# Altium PCB HV Interface.PcbDoc (part 2 of 3) (continued)
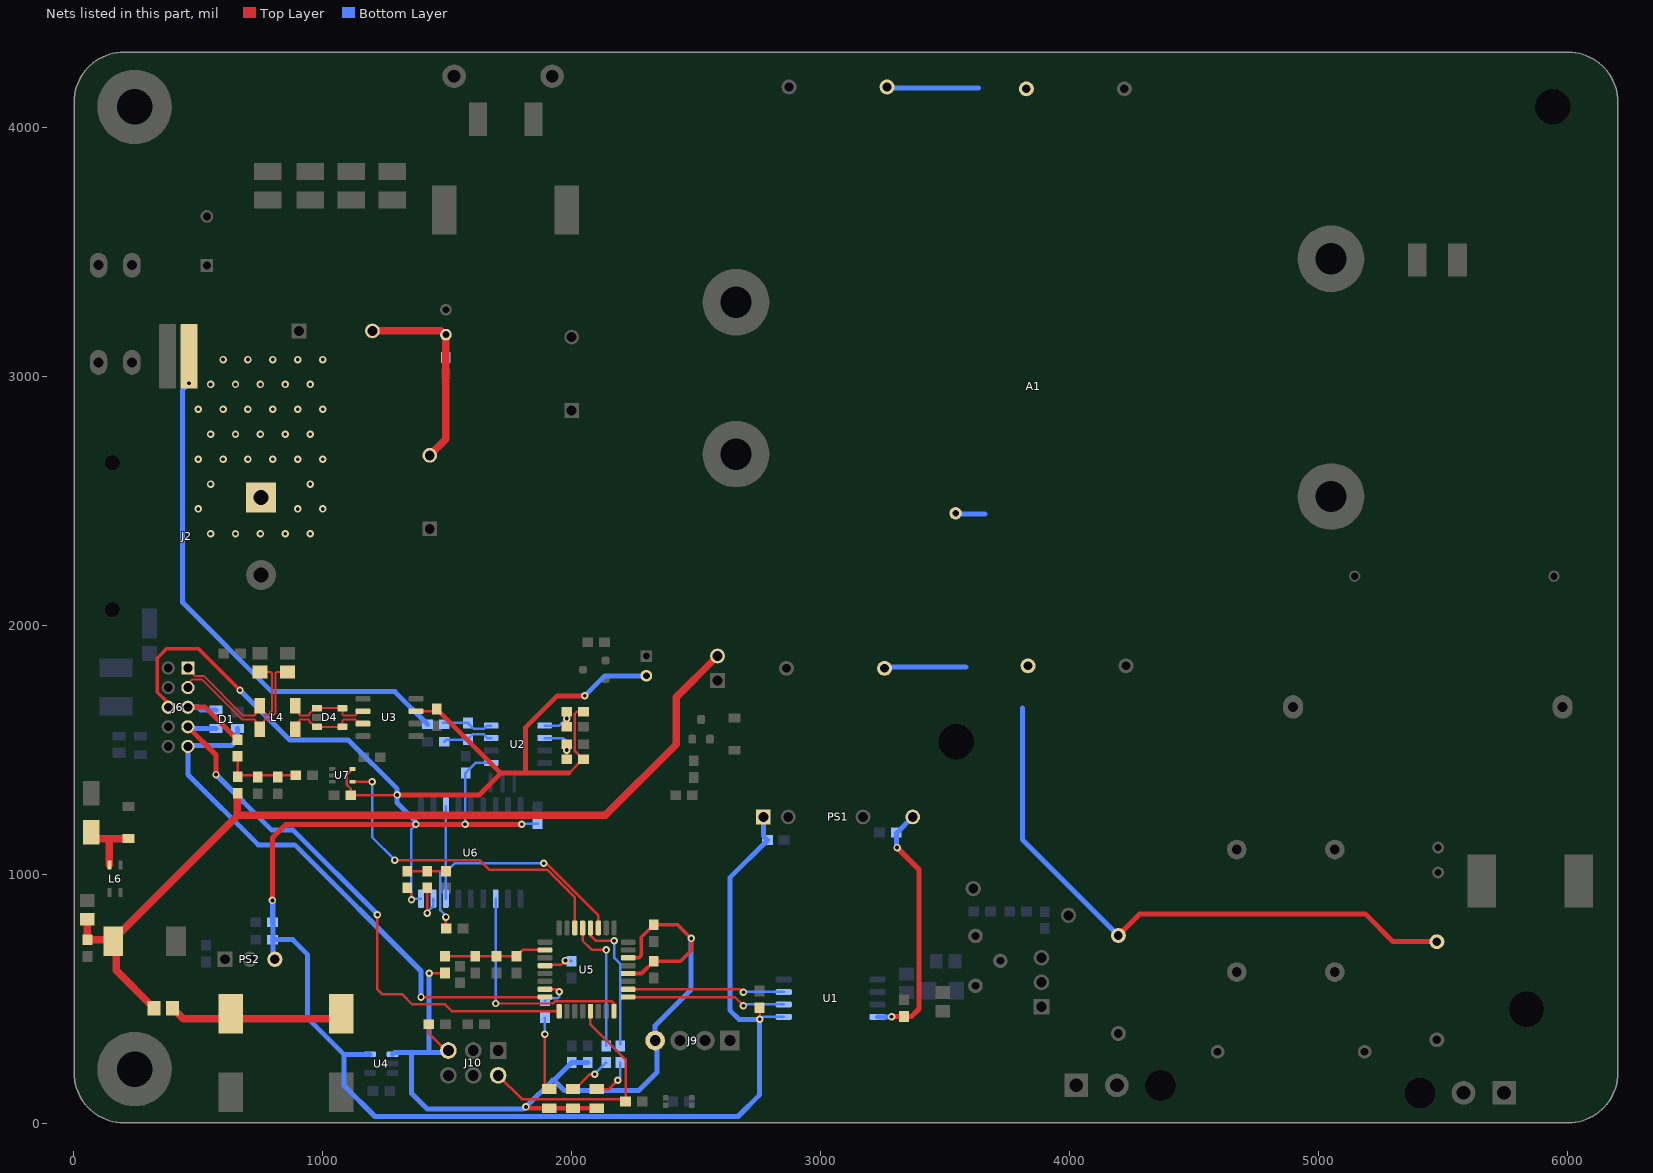
[diagram p2: the nets of this part, all layers, seen from the top]
## Part data (continued)
L2: "330nH Shielded Wirewound Inductor 47.5A 0.165mOhm Nonstandard", Case/Package=Nonstandard, Current Rating=47.5A, DC Resistance (DCR)=0.165mR, Inductance=330nH, Inductance Tolerance=20%, Manufacturer="Wurth Electronics", Max DC Current=50A, Max Operating Temperature=125°C, Min Operating Temperature=-40°C, Package Quantity=300, Saturation Current=62.5A, Self Resonant Frequency=158MHz, Supplier Part Number 1=71071222, Test Frequency=100kHz, Category="Fixed Inductors", Composition=Wirewound, Core Material=Zinc, Height=9mm, Height - Seated (Max)=0.374inch, Lead Free="Lead Free", Length=0.551inch, Manufacturer Part Number=744309033, Mount="Surface Mount", Packaging="Tape and Reel", REACH SVHC=Unknown, RMS Current (Irms)=50A, Shielding=Shielded, Supplier 1="Allied Electronics", Termination=SMD/SMT, Tolerance=20%, Width=0.512inch
L3: "1.2mH @ 10kHz 2 Line Common Mode Choke Through Hole  3A DCR 56mOhm (Typ)", Case/Package=Radial, Current Rating=3A, DC Resistance (DCR)=56R, Flammability Rating="UL94 V-0", Inductance=1.2mH, Inductance Tolerance=30%, Manufacturer="TDK EPCOS", Max Operating Temperature=125°C, Min Operating Temperature=-40°C, Package Quantity=540, Series Resistance=56mR, Supplier Part Number 1=495-2748-ND, Test Frequency=10kHz, Voltage Rating (AC)=250V, Approvals=VDE,UR,ENEC, Category="Common Mode Chokes", Contact Plating=Tin, Core Material=Ferrite, DC Current=3A, Depth=16.1mm, Height=25.4mm, Lead Free="Lead Free", Lead Pitch=10mm, Lead/Base Style=Pin, Length=23.3mm, Manufacturer Part Number=B82722J2302N001, Max Current Rating=3A, Max DC Current=3A, Military Standard=Not, Mount="Through Hole", Number of Lines=2, Number of Pins=4, Packaging=Box, Radiation Hardening=No, REACH SVHC="No SVHC", Row Spacing=12.5mm, Shielding=Unshielded, Supplier 1=Digi-Key, Termination=Radial, Tolerance=30%, Weight=0.35274oz, Width=16.1mm
L4: "22µH @ 100kHz 2 Line Common Mode Choke Surface Mount 1 kOhms @ 10MHz 200mA DCR 2.65Ohm", Case Code (Imperial)=1812, Case Code (Metric)=4532, Current=200mA, DC Resistance (DCR)=2.65R, Inductance=22uH, Inductance Tolerance=-30%, Insulation Resistance=10MR, Manufacturer=Bourns, Max Operating Temperature=125°C, Min Operating Temperature=-40°C, Package Quantity=1, Resistance=1kR, Self Resonant Frequency=100kHz, Tolerance=50%, Case/Package=4532, Category="Fixed Inductors", Core Material=Ferrite, Current Rating=200mA, DC Current=200mA, Depth=3.4mm, Height=0.118inch, Impedance=1kR, Lead Free="Lead Free", Length=4.5mm, Manufacturer Part Number=SRF4532-220Y, Material=Steel, Max DC Current=200mA, Mount="Surface Mount,PCB", Number of Lines=2, Packaging="Tape and Reel", REACH SVHC="No SVHC", Termination=SMD/SMT, Test Frequency=100kHz, Width=0.126inch
L5: "5.6µH Shielded Wirewound Inductor 3.5A 32mOhm Max Nonstandard", Case/Package=Nonstandard, Current Rating=3.5A, DC Resistance (DCR)=32mR, Inductance=5.6uH, Manufacturer=Murata, Manufacturer Part Number=B1047AS-5R6N=P3, Max Operating Temperature=85°C, Min Operating Temperature=-40°C, Saturation Current=4A, Supplier Part Number 1=490-14216-1-ND, Test Frequency=100kHz, Tolerance=30%, Category="Fixed Inductors", Composition=Wirewound, Core Material=Ferrite, Height - Seated (Max)=0.197inch, Length=0.299inch, Mount="Surface Mount", Packaging="Tape and Reel", Shielding=Shielded, Supplier 1=Digi-Key, Width=0.299inch
L6: "Common Mode Filter, 1000 Ohm Impedance, 1.2 A, 60 V, -40 to 85 degC, 4-Pin SMD, RoHS, Tape and Reel", Current=1.5A, DC Resistance (DCR)=50mOhm, Inductance=-, Manufacturer=TDK, Operating Temperature=-40degC~85degC, Package / Case=1210(3225Metric),4Lead, Package Description="4-Pin Surface Mount Device, Body 3.2 x 2.5 mm, Pitch 1.15 mm", Package Reference=ACP3225-102-2P-T000-4, Standard Package=1, Category=Filters, Datasheet URL=https://datasheet.ciiva.com/30106/acp3225-series-30106482.pdf, Datasheet Version="Rev. 8, 07/2011", Family=CommonModeChokes, Featured Product=ACP3225SeriesFilter, Filter type=PowerLine, Height (Max)="0.079\"(2.00mm)", Impedance=1kOhm, Manufacturer 1=TDK, Manufacturer Part Number 1=ACP3225-102-2P-T000, Manufacturer URL=http://www.tdk.com/, Mounting Type=SurfaceMount, Number of Lines=2, Online Catalog=ACPSeries, Other Names=445-8637-6, Packaging=Digi-Reel, Series=ACP, Size / Dimension="0.126\"Lx0.098\"W(3.20mmx2.50mm)"
MTG1 MTG2: library part "MTG M3", "PCB Mounting for M3 Screw", PCB Package=M3, P/N="MTG M3"
MTG3 MTG4 MTG5: library part "MTG M3 HV", "PCB Mounting for M3 Screw - HV", PCB Package=M3, P/N="MTG M3 HV"
NT1: "Net Tie (No BOM)", ClassName=NET_TIE
PS1: "Isolated Module DC DC Converter 1 Output 3.3V    303mA 4.5V - 5.5V Input", Case/Package=SIP, Isolation Voltage=3kV, Manufacturer=CUI, Max Input Voltage=5.5V, Max Operating Temperature=105°C, Max Output Current=303mA, Max Power Dissipation=1W, Min Input Voltage=4.5V, Min Operating Temperature=-40°C, Supplier Part Number 1=102-3663-ND, Voltage - Output 1=3.3V, Category="Board Mount Modules", Efficiency=75%, Features=OVP,OCP,OTP,SCP, Height=0.37inch, Lead Free="Lead Free", Length=0.77inch, Manufacturer Part Number=PEM1-S5-S3-S, Mount="Through Hole", Number of Outputs=1, Packaging=Rail/Tube, Supplier 1=Digi-Key, Width=0.24inch
PS2: "Linear Regulator Replacement DC DC Converter 1 Output 5V    1A 8V - 28V Input", Case/Package=SIP, Current - Output 1=1A, Manufacturer=Recom, Max Input Voltage=28V, Max Operating Temperature=85°C, Max Output Voltage=5V, Max Power Dissipation=5W, Min Input Voltage=8V, Min Operating Temperature=-40°C, Package Quantity=42, Supplier Part Number 1=945-2201-ND, Category="Board Mount Modules", Efficiency=91%, Features=SCP, Height=10.4mm, Lead Free="Lead Free", Length=11.6mm, Manufacturer Part Number=R-78E5.0-1.0, Max Output Current=1A, Mount="Through Hole", Number of Outputs=1, Output Power=5W, Packaging=Rail/Tube, Supplier 1=Digi-Key, Voltage - Output 1=5V, Weight=2g, Width=8.5mm
Q1: "N-Channel 30V 5.8A (Ta) 720mW (Ta) Surface Mount SOT-23-3", Case/Package=SOT-23, Continuous Drain Current (ID)=5.8A, Drain to Source Breakdown Voltage=30V, Drain to Source Resistance=82mR, Gate to Source Voltage (Vgs)=20V, Input Capacitance=386pF, Manufacturer=Diodes, Max Operating Temperature=150°C, Max Power Dissipation=1.4W, Min Operating Temperature=-55°C, On-State Resistance=28mR, Package Quantity=3000, Supplier Part Number 1=DMN3404LDICT-ND, Threshold Voltage=1.5V, Category=MOSFETs, Contact Plating=Tin,Matte, Drain to Source Voltage (Vdss)=30V, Element Configuration=Single, Fall Time=6.18ns, Height=1mm, Lead Free="Lead Free", Length=2.9mm, Manufacturer Part Number=DMN3404L-7, Mount="Surface Mount", Nominal Vgs=1.5V, Number of Channels=1, Number of Elements=1, Number of Pins=3, Packaging="Tape and Reel", Power Dissipation=1.4W, Rds On Max=28mR, REACH SVHC="No SVHC", Rise Time=6.18ns, Supplier 1=Digi-Key, Turn-Off Delay Time=13.92ns, Turn-On Delay Time=3.41ns, Weight=0.000282oz, Width=1.3mm
R1: "2 Ohms ±5% 1W Through Hole Resistor Axial Flame Retardant Coating, Pulse Withstanding, Safety Metal Film", Case/Package=Axial, Manufacturer="TE Connectivity Holsworthy", Manufacturer Part Number=RR01JR75TB, Max Operating Temperature=155°C, Min Operating Temperature=-55°C, Number of Resistors=1, Package Quantity=5000, Power Rating=1W, Resistance=2R, Supplier Part Number 1=A138161CT-ND, Temperature Coefficient=300ppm/°C, Tolerance=5%, Voltage Rating=350V, Category="Through-Hole Resistors", Composition="Power resistor", Diameter=2.6mm, ELV=Compliant, Length=6.8mm, Mount=Axial, Number of Terminations=2, Packaging="Ammo Pack", Supplier 1=Digi-Key, Termination=Axial
R2: "Resistor Surface Mount, 10M Ohms, 0603 Footprint, 1% Tolerance 0.1W", Manufacturer=Various, PCB Package=0603, Power_Rating=0.1W, Tolerance=1%, Description in Visual="Res SMT 10M 0603  1%  0.1W", Manufacturer P/N=Various, P/N="RES 0603 10M 1%", Tol=1%, Val=10meg
R3: "750 mOhms ±5% 1W Through Hole Resistor Axial Flame Retardant Coating, Pulse Withstanding, Safety Metal Film", Case/Package=Axial, Manufacturer="TE Connectivity Holsworthy", Max Operating Temperature=155°C, Min Operating Temperature=-55°C, Number of Resistors=1, Package Quantity=5000, Power Rating=1W, Resistance=750mR, Supplier Part Number 1=A138247CT-ND, Temperature Coefficient=300ppm/°C, Tolerance=5%, Voltage Rating=350V, Category="Through-Hole Resistors", Composition="Power resistor", Diameter=2.6mm, ELV=Compliant, Length=6.8mm, Manufacturer Part Number=RR01JR75TB, Mount=Axial, Number of Terminations=2, Packaging="Ammo Pack", Supplier 1=Digi-Key, Termination=Axial
R4: "250 mOhms ±1% 1W Chip Resistor 2512 (6432 Metric) Anti-Sulfur, Automotive AEC-Q200, Current Sense, Moisture Resistant, Pulse Withstanding Metal Element", Case Code (Imperial)=2512, Case Code (Metric)=6432, Manufacturer="Vishay Dale", Max Operating Temperature=275°C, Max Power Dissipation=1W, Min Operating Temperature=-65°C, Package Quantity=1, Resistance=250mR, Supplier Part Number 1=WSLTB-.250CT-ND, Temperature Coefficient=75ppm/°C, Tolerance=1%, Case/Package=2512, Category="Chip SMD Resistors", Composition="Metal Element", Features="Moisture Resistant", Height=0.035inch, Length=0.25inch, Manufacturer Part Number=WSLT2512R2500FEB, Number of Terminations=2, Packaging="Tape and Reel", Power Rating=1W, Supplier 1=Digi-Key, Termination=SMD/SMT, Weight=0.001429oz, Width=0.125inch
R5: "100 MOhms ±1% 1.3W Through Hole Resistor Radial High Voltage Thick Film", Manufacturer=Murata, Power=1.3W, Supplier Part Number 1=490-18226-ND, Manufacturer Part Number=MHR0422SA107F70, Supplier 1=Digi-Key
R6: "Resistor Surface Mount, 50.5 Ohms, 0805 Footprint, 0.1% Tolerance 0.125W", Manufacturer=Various, PCB Package=0805, Power_Rating=0.125W, Tolerance=0.1%, Description in Visual="Res SMT 50.5 0805  0.1%  0.125W", Manufacturer P/N=Various, P/N="RES 0805 50.5 0.1%", Tol=0.1%, Val=50.5
R7: "Resistor Surface Mount, 12.4K Ohms, 0603 Footprint, 0.1% Tolerance 0.1W", Manufacturer=Various, PCB Package=0603, Power_Rating=0.1W, Tolerance=0.1%, Description in Visual="Res SMT 12.4K 0603  0.1%  0.1W", Manufacturer P/N=Various, P/N="RES 0603 12.4K 0.1%", Tol=0.1%, Val=12.4K
R8: "Resistor Surface Mount, 28K Ohms, 0603 Footprint, 0.1% Tolerance 0.1W", Manufacturer=Various, PCB Package=0603, Power_Rating=0.1W, Tolerance=0.1%, Description in Visual="Res SMT 28K 0603  0.1%  0.1W", Manufacturer P/N=Various, P/N="RES 0603 28K 0.1%", Tol=0.1%, Val=28K
R9: "Resistor Surface Mount, 29.4K Ohms, 0603 Footprint, 0.1% Tolerance 0.1W", Manufacturer=Various, PCB Package=0603, Power_Rating=0.1W, Tolerance=0.1%, Description in Visual="Res SMT 29.4K 0603  0.1%  0.1W", Manufacturer P/N=Various, P/N="RES 0603 29.4K 0.1%", Tol=0.1%, Val=29.4K
R10 R11 R12 R13 R29 R39: "Resistor Surface Mount, 0 Ohms, 0603 Footprint, 5% Tolerance 0.1W", Manufacturer=Various, PCB Package=0603, Power_Rating=0.1W, Tolerance=5%, Description in Visual="Res SMT 0 0603  5%  0.1W", Manufacturer P/N=Various, P/N="RES 0603 0 5%", Tol=5%, Val=0
R14 R16: "Resistor Surface Mount, 10 Ohms, 0603 Footprint, 1% Tolerance 0.1W", Manufacturer=Various, PCB Package=0603, Power_Rating=0.1W, Tolerance=1%, Description in Visual="Res SMT 10 0603  1%  0.1W", Manufacturer P/N=Various, P/N="RES 0603 10 1%", Tol=1%, Val=10
R15: "3 mOhms ±1% 3W Chip Resistor Wide 2512 (6432 Metric), 1225 Automotive AEC-Q200, Current Sense Metal Foil", Case Code (Imperial)=2512, Case Code (Metric)=6432, Manufacturer=Susumu, Max Operating Temperature=155°C, Min Operating Temperature=-55°C, Package Quantity=1000, Power Rating=3W, Resistance=3mR, Supplier Part Number 1=408-1613-1-ND, Temperature Coefficient=50ppm/°C, Tolerance=1%, Case/Package=2512, Category="Chip SMD Resistors", Composition="Metal Foil", Height=0.5mm, Length=6.3mm, Manufacturer Part Number=KRL6432E-M-R003-F-T1, Packaging="Tape and Reel", Supplier 1=Digi-Key, Termination=SMD/SMT, Weight=0.001429oz, Width=3.1mm
R17 R18: "Resistor Surface Mount, 60.4 Ohms, 0805 Footprint, 1% Tolerance 0.125W", Manufacturer=Various, PCB Package=0805, Power_Rating=0.125W, Tolerance=1%, Description in Visual="Res SMT 60.4 0805  1%  0.125W", Manufacturer P/N=Various, P/N="RES 0805 60.4 1%", Tol=1%, Val=60.4
R19 R23 R28 R36 R38: "Resistor Surface Mount, 10K Ohms, 0603 Footprint, 1% Tolerance 0.1W", Manufacturer=Various, PCB Package=0603, Power_Rating=0.1W, Tolerance=1%, Description in Visual="Res SMT 10K 0603  1%  0.1W", Manufacturer P/N=Various, P/N="RES 0603 10K 1%", Tol=1%, Val=10K
R20 R21 R22: "Resistor Surface Mount, 1.5K Ohms, 0603 Footprint, 1% Tolerance 0.1W", Manufacturer=Various, PCB Package=0603, Power_Rating=0.1W, Tolerance=1%, Description in Visual="Res SMT 1.5K 0603  1%  0.1W", Manufacturer P/N=Various, P/N="RES 0603 1.5K 1%", Tol=1%, Val=1.5K
R24 R25: "Resistor Surface Mount, 2.2K Ohms, 0603 Footprint, 1% Tolerance 0.1W", Manufacturer=Various, PCB Package=0603, Power_Rating=0.1W, Tolerance=1%, Description in Visual="Res SMT 2.2K 0603  1%  0.1W", Manufacturer P/N=Various, P/N="RES 0603 2.2K 1%", Tol=1%, Val=2.2K
R26: "Resistor Surface Mount, 100K Ohms, 0603 Footprint, 1% Tolerance 0.1W", Manufacturer=Various, PCB Package=0603, Power_Rating=0.1W, Tolerance=1%, Description in Visual="Res SMT 100K 0603  1%  0.1W", Manufacturer P/N=Various, P/N="RES 0603 100K 1%", Tol=1%, Val=100K
R27 R34: "Resistor Surface Mount, 1K Ohms, 0603 Footprint, 1% Tolerance 0.1W", Manufacturer=Various, PCB Package=0603, Power_Rating=0.1W, Tolerance=1%, Description in Visual="Res SMT 1K 0603  1%  0.1W", Manufacturer P/N=Various, P/N="RES 0603 1K 1%", Tol=1%, Val=1K
R30: "Resistor Surface Mount, 2 Ohms, 0805 Footprint, 1% Tolerance 0.125W", Manufacturer=Various, PCB Package=0805, Power_Rating=0.125W, Tolerance=1%, Description in Visual="Res SMT 2 0805  1%  0.125W", Manufacturer P/N=Various, P/N="RES 0805 2 1%", Tol=1%, Val=2
R31 R33: "Resistor Surface Mount, 11.5K Ohms, 0603 Footprint, 1% Tolerance 0.1W", Manufacturer=Various, PCB Package=0603, Power_Rating=0.1W, Tolerance=1%, Description in Visual="Res SMT 11.5K 0603  1%  0.1W", Manufacturer P/N=Various, P/N="RES 0603 11.5K 1%", Tol=1%, Val=11.5K
R32: "Resistor Surface Mount, 6.98K Ohms, 0603 Footprint, 1% Tolerance 0.1W", Manufacturer=Various, PCB Package=0603, Power_Rating=0.1W, Tolerance=1%, Description in Visual="Res SMT 6.98K 0603  1%  0.1W", Manufacturer P/N=Various, P/N="RES 0603 6.98K 1%", Tol=1%, Val=6.98K
R35 R37: "Resistor Surface Mount, 10K Ohms, 0603 Footprint, 0.1% Tolerance 0.1W", Manufacturer=Various, PCB Package=0603, Power_Rating=0.1W, Tolerance=0.1%, Description in Visual="Res SMT 10K 0603  0.1%  0.1W", Manufacturer P/N=Various, P/N="RES 0603 10K 0.1%", Tol=0.1%, Val=10K
RV1: "50 kOhms 0.5W, 1/2W PC Pins Through Hole Trimmer Potentiometer Cermet 25 Turn Side Adjustment", Color=Blue, Manufacturer=Bourns, Max Operating Temperature=125°C, Max Power Dissipation=500mW, Min Operating Temperature=-55°C, Package Quantity=50, Resistance=50kR, Supplier Part Number 1=3299X-503LF-ND, Temperature Coefficient=100ppm/°C, Tolerance=10%, Voltage Rating=300V, Voltage Rating (DC)=500V, Category="Variable Resistors and Potentiometers", Composition=Cermet, Depth=6.1mm, Height=0.375inch, Lead Free="Lead Free", Length=11.05mm, Manufacturer Part Number=3299X-1-503LF, Military Standard=Not, Mount="Panel,Through Hole,PCB", Number of Turns=25, Packaging=Rail/Tube, Power Rating=500mW, Radiation Hardening=No, REACH SVHC="No SVHC", Supplier 1=Digi-Key, Taper=Linear, Termination=Pin, Weight=0.035oz, Width=9.53mm
SW1: "Tactile Switch SPST-NO Top Actuated Surface Mount", Manufacturer=Panasonic, Max Operating Temperature=85°C, Min Operating Temperature=-40°C, Operating Force=160gf, Supplier Part Number 1=P19888CT-ND, Actuator Type=Standard, Category="Tactile Switches", Illumination Type=Non-Illuminated, Lead Free="Lead Free", Manufacturer Part Number=EVP-BB2A9B000, Mechanical Life=500000Cycles, Mount="Surface Mount", Packaging="Tape and Reel", Supplier 1=Digi-Key, Switch Function=Off-Mom, Switch Travel=0.11mm, Termination="Gull Wing", Throw Configuration=SPST
TP1: "Test Point, White, 1-Pin THD, RoHS, Bulk", Color=White, Manufacturer=KeystoneElectronics, Supplier Part Number 1=36-5002-ND, Brand=KeystoneElectronics, Contact Material=PhosphorBronze, Datasheet URL=https://ciiva.com/datasheet-click-2917627?src=ciiva&sig=bd195616, Datasheet Version="Rev. G, 12/2008", Length=7.62mm, Manufacturer URL=http://www.keyelco.com/, Material=Nylon, Mounting Hole Size=1mm, Outside Diameter=2.54mm, Packaging=Bulk, Plating=Silver, Product=TestPoints, Product Category=CircuitBoardHardware-PCB, RoHS=True, Supplier 1=Digi-Key, Type=Miniature
TP2: "Test Point, Black, 1-Pin THD, RoHS, Bulk", Color=Black, Manufacturer=KeystoneElectronics, Supplier Part Number 1=36-5001-ND, Brand=KeystoneElectronics, Contact Material=PhosphorBronze, Datasheet URL=https://ciiva.com/datasheet-click-2917627?src=ciiva&sig=bd195616, Datasheet Version="Rev. G, 12/2008", Length=7.62mm, Manufacturer URL=http://www.keyelco.com/, Material=Nylon, Mounting Hole Size=1mm, Outside Diameter=2.54mm, Packaging=Bulk, Plating=Silver, Product=TestPoints, Product Category=CircuitBoardHardware-PCB, RoHS=True, Supplier 1=Digi-Key, Type=Miniature
U1: "General Purpose Digital Isolator 5000Vrms 2 Channel 150Mbps 75kV/µs CMTI 8-SOIC (0.295\", 7.50mm Width)", Case/Package=SOIC, Manufacturer="Analog Devices", Max Operating Temperature=125°C, Max Supply Voltage=5.5V, Min Operating Temperature=-40°C, Min Supply Voltage=1.7V, Built_By="Analog Devices Inc.", Copyright="Copyright (C) 2018 Accelerated Designs. All rights reserved", Lead Free="Contains Lead", Manufacturer Part Number=ADUM226N0BRIZ, Manufacturer_Part_Number=ADUM226N0BRIZ, Number of Channels=2, Number of Pins=8, Propagation Delay=7.2ns, REACH SVHC="No SVHC", RefDes=RefDes, Type=DEV, Vendor="Analog Devices Inc"
U2: "Zero-Drift, Bi-Directional Current / Power Monitor, 3 to 5.5 V, -40 to 125 degC, 8-pin SOIC (D8), Green (RoHS & no Sb/Br)", Manufacturer="Texas Instruments", Quiescent Current (+/-)(Typ)(mA)=0.7, Rating=Catalog, Supplier Part Number 1=296-23978-1-ND, CMRR(Min)(dB)=100, Code_JEDEC=MS-012, Common Mode Range(Max)(V)=26, Common Mode Range(Min)(V)=0, ComponentLink1Description="Manufacturer URL", ComponentLink1URL=http://www.ti.com/, ComponentLink2Description=Datasheet, ComponentLink2URL=http://www.ti.com/general/docs/lit/getliterature.tsp?genericPartNumber=INA219&fileType=pdf, ComponentLink3Description="Package Specification", ComponentLink3URL=http://www.ti.com/lit/ml/msoi002j/msoi002j.pdf, DatasheetVersion=SBOS448F, Eco-Plan="Green (RoHS & no Sb/Br)", Gain(V/V)="1, 0.5, 0.25, 0.125", Input Offset (+/-)(Max)(uV)=100, Mounting Technology="Surface Mount", PackageDescription="8-Pin Plastic Small Outline, Body 4.9 x 3.9 mm, Pitch 1.27 mm", PackageReference=D0008A, PackageVersion="4040047-3/M, 06/2011", PartNumber=INA219AIDR, Small-Signal Bandwidth(Typ)(MHz)=0.011, SubFamily="Current Shunt Monitor", Supplier 1=Digi-Key, Vs(Max)(V)=5.5, Vs(Min)(V)=3
U3: "1/1 Transceiver CANbus 8-SOIC", Digikey Part Number=MCP2561-E/SN-ND, Manufacturer=Microchip, Mfg Package Ident=C04-2057A, Mouser Part Number=579-MCP2561-E/SN, Temperature="-40°C to +125°C", Temperature Range High=+125°C, Temperature Range Low=-40°C, Voltage="4.5V ~ 5.5V", ComponentLink1Description=Upverter, ComponentLink1URL=https://upverter.com/upn/revision/7ae0784463458063/, ComponentLink2Description=Datasheet, ComponentLink2URL=https://upverter.com/datasheet/23625d8df5c60d1941db5c365e0a3694c4b69235.pdf, Data Rate="1 Mb/s", Digikey Description="IC 1/1 Transceiver Full CAN 8-SOIC", Duplex=Full, HelpURL=https://upverter.com/upn/revision/7ae0784463458063/, Lead Free=yes, Number of Drivers/Receivers=1/1, Package=C04-2057A, Part Number=MCP2561-E/SN, Propagation Delay Time="125 ns", Protocol=CAN, RoHS=TRUE, Supplier 1=Digi-Key, Supplier 2=Mouser, Supplier Part Number 1=MCP2561-E/SN-ND, Supplier Part Number 2=579-MCP2561-E/SN, Type=Transceiver
U4: "Power Switch/Driver 1:1 N-Channel 500mA SOT-23-5", Current - Output (Max)=500mA, Digikey Part Number=497-6933-1-ND, Manufacturer=STMicroelectronics, Mfg Package Ident=SOT23-5L, Mouser Part Number=511-STMPS2141STR, Temperature="-40°C to +125°C", Temperature Range High=+125°C, Temperature Range Low=-40°C, Voltage - Load="2.7 V ~ 5.5 V", ComponentLink1Description=Upverter, ComponentLink1URL=https://upverter.com/upn/revision/bed08d647fcd8b7a/, ComponentLink2Description=Datasheet, ComponentLink2URL=http://www.st.com/content/ccc/resource/technical/document/datasheet/e8/d7/48/25/eb/87/45/b3/CD00167470.pdf/files/CD00167470.pdf/jcr:content/translations/en.CD00167470.pdf, Digikey Description="IC PWR SWITCH 1CH 500MA SOT23-5", HelpURL=https://upverter.com/upn/revision/bed08d647fcd8b7a/, Lead Free=yes, Manufacturer Product Page=http://www.st.com/content/st_com/en/products/switches-and-multiplexers/power-load-switches/stmps2141.html, Package=SOT23-5L, Part Number=STMPS2141STR, Price=0.377534036938, Rds On (Typ)="90 mOhm", RoHS=TRUE, Supplier 1=Digi-Key, Supplier 2=Mouser, Supplier Part Number 1=497-6933-1-ND, Supplier Part Number 2=511-STMPS2141STR
U5: "AVR AVR® ATmega Microcontroller IC 8-Bit 20MHz 32KB (16K x 16) FLASH 32-TQFP (7x7)", Case/Package=A, Frequency=20MHz, Manufacturer="Microchip / Atmel", Max Operating Temperature=85°C, Max Supply Voltage=5.5V, Min Operating Temperature=-40°C, Min Supply Voltage=1.8V, Package Quantity=2000, Supplier Part Number 1=ATMEGA328P-AURCT-ND, Category=Microcontrollers, Contact Plating=Tin,Matte, Core Architecture=AVR, Data Bus Width=8b, Interface=I2C,SPI,UART,USART,2-Wire, Lead Free="Lead Free", Manufacturer Part Number=ATMEGA328P-AUR, Max Frequency=20MHz, Memory Size=32KB, Memory Type=FLASH, Mount="Surface Mount", Number of I/Os=23, Number of Pins=32, Number of Programmable I/O=23, Number of Timers/Counters=3, Oscillator Type=Internal, Packaging="Tape and Reel", Peripherals="Brown-out Detect/Reset,POR,PWM,WDT", RAM Size=2KB, REACH SVHC="No SVHC", Supplier 1=Digi-Key, Watchdog Timer=Yes
U6: "CANbus Controller CAN 2.0 SPI Interface 18-SOIC", Case/Package=SOIC, Manufacturer=Microchip, Max Operating Temperature=85°C, Max Supply Current=10mA, Max Supply Voltage=5.5V, Min Operating Temperature=-40°C, Min Supply Voltage=2.7V, Operating Supply Voltage=5V, Package Quantity=1100, Category="Interface ICs", Code_JEDEC=MS-013, ComponentLink1Description="Manufacturer URL", ComponentLink1URL=http://www.microchip.com/, ComponentLink2Description=Datasheet, ComponentLink2URL=http://ww1.microchip.com/downloads/en/DeviceDoc/21801f.pdf, ComponentLink3Description="Package Specification", ComponentLink3URL=http://www.microchip.com/stellent/groups/techpub_sg/documents/packagingspec/en012702.pdf, Data Rate=1Mbps, DatasheetVersion="revF, Oct-2010", Interface=SPI,CAN, Lead Free="Lead Free", Manufacturer Part Number=MCP2515T-I/SO, Mount="Surface Mount", Nominal Supply Current=10mA, Number of Drivers=1, Number of Pins=18, Number of Receive Buffers=2, Number of Receivers=1, Number of Transceivers=1, Number of Transmit Buffers=3, Operating Supply Current=10mA, PackageDescription="18-Lead Plastic Small Outline (SO) - Wide 7.50mm Body [SOIC]", PackageReference=SOIC-SO18, PackageVersion="revBB, Aug-2009", Packaging="Tape and Reel", Radiation Hardening=No, REACH SVHC="No SVHC", RevisionNote="URLs added. DatasheetVersion updated."
U7: library part CMP-0859-00388-4, "Single Schmitt-Trigger Buffer, DCK0005A, LARGE T&R", F @ Nom Voltage(Max)(Mhz)=150, Generic Part Number=SN74LVC1G17, ICC @ Nom Voltage(Max)(mA)=0.01, Manufacturer="Texas Instruments", Operating Temperature Range(C)="-40 to 125,-40 to 85", Rating=Catalog, tpd @ Nom Voltage(Max)(ns)=11,6.5,5.5,5, Voltage(Nom)(V)=1.8,2.5,3.3,5, 3-State Output=No, Bits(#)=1, DatasheetVersion=SCES351V, Input Type=CMOS/TTL, Logic=True, Output Drive (IOL/IOH)(Max)(mA)=32/-32, Output Type=CMOS, PackageReference=DCK0005A, Schmitt Trigger=Yes, Sub-Family="Non-Inverting Buffer/Driver", Technology Family=LVC, VCC(Max)(V)=5.5, VCC(Min)(V)=1.65
Y1: "Ceramic Resonator, 8 MHz, +/- 0.5%, -20 to 80 degC, 3-Pin SMD, RoHS, Tape and Reel", Capacitance=15pF, Case/Package=SMD/SMT, Frequency=16MHz, Frequency Stability=0.3%, Frequency Tolerance=0.5%, Manufacturer=Murata, Max Operating Temperature=85°C, Min Operating Temperature=-40°C, Supplier Part Number 1=490-17948-1-ND, Composition=Ceramic, Impedance=40R, Manufacturer Part Number=CSTNE16M0V530000R0, Mount="Surface Mount", Packaging="Tape and Reel", Supplier 1=Digi-Key

## Free pads (board coordinates)
  round 50 on Mech16: 25(2873.15,4165) 26(3266.85,4165) 27(2863.15,1830) 28(3256.85,1830) 29(2870,1233.15) 30(3170,1233.15) 31(3370,1233.15)
  rrect50% 80x30 on Mech16: 32(2851.81,580) 33(2851.81,530) 34(2851.81,480) 35(2851.81,430) 36(3228.19,580) 37(3228.19,530) 38(3228.19,480) 39(3228.19,430)
  round 250 on Mech16: 40(2660,3300) 41(2660,2690) 42(5050,3475) 43(5050,2520)

## Via types
v1: diameter 30, hole 15, Top Layer to Bottom Layer, tented both sides, 256 vias
v2: diameter 40, hole 20, Top Layer to Bottom Layer, tented both sides, 32 vias

## Nets (pads, with @x,y where several pads share a name; then routed paths per layer and width w, separated by ;. In a path a pad name is that pad's centre, name@x,y a point inside that pad or via, vN(x,y) a via of type N, cw(c..) or ccw(c..) an arc to the next point about the centre after c; other vN are vias at no path point)
12V_CAP: C36.1 C37.1 R30.2 | length 695.2
  Top Layer w30: R30.2@397.4,465 439.92,422.48 C37.1@1075,422.48
+3.3_HV: C17.2 C20.2 PS1.7 U1.8 | length 1015.3
  Top Layer w20: v1(3285,430.5) 3286.04,431.54 3364.54,431.54 3395,462 3395,1021.85 v1(3306.85,1110)
  Bottom Layer w20: U1.8@3228.19,430 3284.5,430 v1(3285,430.5) ; v1(3306.85,1110) 3305.16,1111.69 3305.16,1168.31 PS1.7@3370,1233.15
+5: C18.2 C21.2 C24.1 C26.2 C34.2 C40.2 C41.2 C43.1 J4.2 J6.6 PS1.1 PS2.3 R10.2 R11.2 R26.2 U1.1 U2.5 U3.3 U4.5 U6.18 U7.5 | length 10615.3
  Top Layer w10: U7.5@1119.78,1425.59 1095.99,1401.8 1095.99,1363.13 1112.89,1346.23 C43.1@1112.89,1320 1297.67,1320 v1(1298.97,1321.3) ; R26.2@1340,948.07 1356.81,931.26 v1(1356.81,900) ; U3.3@1374.76,1657.6 1450,1657.6 C26.2@1458.46,1666.06 ; 1989.52,1408.69 R10.2@2045.83,1465 ; R10.2@2047.83,1465 R10.2@2045.83,1465 ; R11.2@2047.83,1655 2047.47,1655.36 2020.33,1655.36 2013.41,1648.43 2013.41,1566.46 2013.41,1497.43 R10.2@2045.83,1465 ; v1(2755,420) C18.2@2755,466.54
  Top Layer w15: J6.6@380,1673.74 372.7,1681.04 372.7,1697.45 335.93,1734.22 335.93,1870.62 374.28,1908.98 500.74,1908.98 v1(668.09,1741.63)
  Top Layer w20: v1(798.46,897.8) 798.46,1149.04 853.04,1203.61 v1(1374.76,1203.61) v1(1572.19,1203.61) v1(1799.88,1203.61) ; v1(1298.97,1321.3) 1628.45,1321.3 1715.84,1408.69 ; C26.2@1458.46,1666.06 1715.84,1408.69 ; 1989.52,1408.69 1815.48,1408.69 ; v1(2052.84,1719.29) 1941.58,1719.29 1815.48,1593.19 1815.48,1408.69 ; 1715.84,1408.69 1815.48,1408.69
  Bottom Layer w10: v1@1364.48,907.67 v1(1356.81,900) ; v1@1370.94,1217.24 1370.94,1207.43 v1(1374.76,1203.61) 1374.76,1201.55 1356.81,1183.6 v1(1356.81,900) ; U6.18@1395,904.96 1367.18,904.96 1362.22,900 v1(1356.81,900) ; v1(1572.19,1203.61) 1572.19,1407.54 C24.1@1574.37,1409.72 1614.65,1450 U2.5@1677.09,1450 ; v1(1799.88,1203.61) 1802.42,1206.14 C34.2@1863.11,1206.14 ; v1(2755,420) 2757.63,420 2767.63,430 U1.1@2851.81,430
  Bottom Layer w20: v1(668.09,1741.63) 867.7,1542.01 1102.63,1542.01 1298.97,1345.67 v1(1298.97,1321.3) 1298.97,1289.2 v1@1370.94,1217.24 ; C41.2@798.46,740 C41.2@800.38,740 ; C40.2@798.46,810 v1(798.46,897.8) 800.38,895.89 C41.2@800.38,740 ; PS2.3@808.03,661.42 800.38,669.07 C41.2@800.38,740 ; U4.5@1190.31,279.8 1084.88,279.8 ; v1(2052.84,1719.29) 2133.54,1800 J4.2@2300,1800 ; PS1.1@2770,1233.15 2770,1156.54 C21.2@2786.54,1140 2635.63,989.09 2635.63,456.87 2672.5,420 v1(2755,420) 2755,116.89 2668.11,30 1210,30 1084.88,155.12 1084.88,279.8 ; C41.2@800.38,740 880,740 940,680 940,424.69 1084.88,279.8
+5_AVCC: C27.2 C28.2 C29.2 FB3.2 U5.18 | length 412.1
  Top Layer w10: FB3.2@1491.5,674.5 1698,674.5 1776.96,674.5 C29.2@1778,673.46 1803.28,698.74 U5.18@1892.68,698.74
+5_MCU: C32.1 C33.1 D5.A D6.A D7.A FB3.1 J9.4 J10.5 R24.2 R25.2 R38.2 U4.1 U5.4 U5.6 | length 3794.7
  Top Layer w10: R38.2@1426.54,400 1426.54,363.46 1495,295 J10.5@1505,295 ; v1@1429.46,606.5 v1(1428.5,605.54) 1490.54,605.54 FB3.1@1491.5,606.5
  Top Layer w15: U5.4@2227.32,604.25 2280.79,604.25 C32.1@2330,653.46 2437.35,653.46 2480,696.12 v1(2480,745) 2425,800 C33.1@2330,800 2279.56,749.56 2279.56,676.35 2270.46,667.24 U5.6@2227.32,667.24
  Top Layer w20: v1(1816.52,68.42) 1819.22,68.42 1824.59,63.05 D7.A@1910,63.05 D6.A@2005.33,63.05 D5.A@2101.04,63.05
  Bottom Layer w20: U4.1@1280.87,279.8 1287.68,286.61 1357.11,286.61 ; v1@1428.5,606.54 1426.54,604.57 1426.54,286.61 ; J10.5@1505,295 1496.61,286.61 1426.54,286.61 ; v1(1816.52,68.42) 1813.81,68.42 1805.39,60 1420,60 1357.11,122.89 1357.11,286.61 ; v1@1816.88,68.78 1923.71,175.61 1929.07,175.61 ; R25.2@2065,247.17 2000.63,247.17 R24.2@2000,246.54 1929.07,175.61 ; v1(2480,745) 2480,540 2335.63,395.63 J9.4@2335.63,335 2342.24,328.39 2342.24,206.87 2269.69,134.32 1970.37,134.32 1929.07,175.61 ; 1357.11,286.61 1426.54,286.61
+12: C38.2 FB4.2 J1.2 L5.1 R30.1 R31.2 | length 3628.7
  Top Layer w30: FB4.2@55,822.6 C38.2@55,739.37 98.24,739.37 L5.1@171.07,739.37 ; R30.1@322.6,465 171.07,616.52 L5.1@171.07,739.37 ; R31.2@659.43,1328.04 656.52,1325.12 656.52,1242.69 659.61,1239.61 ; J1.2@2585.67,1871.27 2577.72,1871.27 2420,1713.54 2420,1524.04 2135.57,1239.61 659.61,1239.61 ; L5.1@171.07,739.37 171.07,751.07 659.61,1239.61
+DCDC_OUT: J2.1 R14.1 R15.2 | length 2077.8
  Bottom Layer w20: v1(463.4,2975) 437,2948.6 437,2095 795.77,1736.23 1289.67,1736.23 R14.1@1420.91,1605
  other v1: 550,2370 650,2370 750,2370 850,2370 950,2370 500,2470 900,2470 1000,2470 550,2570 950,2570 500,2670 600,2670 700,2670 800,2670 900,2670 1000,2670 550,2770 650,2770 750,2770 850,2770 950,2770 500,2870 600,2870 700,2870 800,2870 900,2870 1000,2870 550,2970 650,2970 750,2970 850,2970 950,2970 600,3070 700,3070 800,3070 900,3070 1000,3070
\CAN_INT: U5.32 U6.12 | length 935
  Top Layer w10: v1(1695,483.76) 1925.6,483.76 1935.04,493.2 2160.24,493.2 2170.24,483.2 U5.32@2170.24,452.68
  Bottom Layer w10: v1(1695,483.76) U6.12@1695,904.96
\CAN_RST: C31.2 R26.1 R27.2 | length 155
  Top Layer w10: R26.1@1340,1015 R27.2@1420,1015 C31.2@1495,1015
\CAN_RST_IN: R27.1 U6.17 | length 169.2
  Top Layer w10: v1(1420,847.11) R27.1@1420,948.07
  Bottom Layer w10: v1(1420,847.11) 1420,850.74 1445,875.74 U6.17@1445,904.96
\CANCS: U5.11 U6.16 | length 870.2
  Top Layer w10: v1(1887.92,1046.54) 1898.46,1046.54 2107.24,837.76 U5.11@2107.24,787.32
  Bottom Layer w10: U6.16@1495,904.96 1495,1011.54 1530,1046.54 v1(1887.92,1046.54)
\LED1: R20.2 U5.12 | length 559.9
  Top Layer w10: U5.12@2075.75,787.32 2075.75,756.8 2096.54,736 2169.98,736 v1(2170.24,735.75)
  Bottom Layer w10: v1(2170.24,735.75) 2170.24,668.05 2195.63,642.66 R20.2@2195.63,320.1
\LED1_RES: D5.C R20.1 | length 174.3
  Top Layer w10: D5.C@2101.04,140.22 2150.22,140.22 v1(2185,175)
  Bottom Layer w10: v1(2185,175) 2185,176.37 2195.63,187 R20.1@2195.63,246.54
\LED2: R21.2 U5.13 | length 546
  Top Layer w10: U5.13@2044.25,787.32 2044.25,735.75 2080,700 2137.48,700 v1(2138.74,698.74)
  Bottom Layer w10: R21.2@2138.74,314.09 v1(2138.74,698.74)
\LED2_RES: D6.C R21.1 | length 177.6
  Top Layer w10: D6.C@2005.33,140.22 2014.39,140.22 2074.17,200 v1(2092.5,200)
  Bottom Layer w10: v1(2092.5,200) 2092.5,200.3 R21.1@2138.74,246.54
\LED3: R22.2 U5.23 | length 145.4
  Top Layer w10: U5.23@1892.68,541.26 1937.4,541.26 1947.66,531 v1(1949.76,531)
  Bottom Layer w10: R22.2@1892.68,494.34 1903.34,505 1943.91,505 1949.76,510.86 v1(1949.76,531)
\LED3_RES: D7.C R22.1 | length 296
  Top Layer w10: v1(1892.68,360) 1892.68,155.91 D7.C@1910,138.58
  Bottom Layer w10: v1(1892.68,360) R22.1@1892.68,427.41
\MCURST: J10.2 R28.1 U5.29 | length 976
  Top Layer w10: J10.2@1705,195 1800,100 2206.54,100 R28.1@2216.54,90 2216.54,259.09 2075.75,399.88 U5.29@2075.75,452.68
A0: R10.1 R12.2 U2.2 | length 198.8
  Top Layer w10: R10.1@1980.91,1465 1980.91,1485.5 v1(1980.91,1501.67) R12.2@1980.91,1525 R12.2@1980.91,1535
  Bottom Layer w10: U2.2@1891.65,1550 1965.91,1550 1980.91,1535 v1(1980.91,1501.67)
A1: R11.1 R13.2 U2.1 | length 166
  Top Layer w10: R13.2@1980.91,1600 v1(1980.91,1628.33) R11.1@1980.91,1655 R11.1@1980.91,1665
  Bottom Layer w10: U2.1@1891.65,1600 1951.04,1600 1979.37,1628.33 v1(1980.91,1628.33)
AREF: C30.2 U5.20 | length 116.8
  Top Layer w10: U5.20@1892.68,635.75 1914.53,635.75 1916.76,637.98 1921.36,637.98 1923.06,639.69 1958.65,639.69 v1(1975,656.04)
  Bottom Layer w10: v1(1975,656.04) 1997.43,656.04 C30.2@2000,653.46
BASE: A1.5 C4.2 C5.2 C6.2 C14.1 C15.1 C16.1 | length 3245.3
  Top Layer w20: C5.2@4195.79,756.85 4282.94,844 5186.91,844 5299.06,731.85 C14.1@5475,731.85
  Bottom Layer w20: C16.1@3266.85,1835 3584.29,1835 ; C6.2@3266.85,4165 3271.85,4160 3635,4160 ; A1.5@3542.21,2452.6 3544.81,2450 3660,2450 ; 3810,1670 3810,1142.64 C5.2@4195.79,756.85 C5.2@4198.69,753.95
BENDER_FB: C42.2 FB5.2 R31.1 R32.2 R33.2 | length 316.3
  Top Layer w10: FB5.2@658.31,1476.62 R31.1@658.31,1400 ; R31.1@659.43,1394.96 658.31,1396.09 R31.1@658.31,1400 ; R32.2@892.5,1400 R31.1@658.31,1400
BENDER_PWM: D1.4 FB5.1 J6.5 | length 371.1
  Top Layer w20: J6.5@458.74,1673.74 528.19,1673.74 FB5.1@658.31,1543.62
  Bottom Layer w20: J6.5@458.74,1673.74 498.66,1673.74 510,1662.4 D1.4@571.69,1662.4
BENDER_STAT: U5.14 U7.4 | length 1338.3
  Top Layer w10: U7.4@1119.78,1374.41 v1(1198.46,1374.41) ; v1(1290,1060) 1629.69,1060 1669.69,1020 1902.37,1020 2012.76,909.62 U5.14@2012.76,787.32
  Bottom Layer w10: v1(1198.46,1374.41) 1199.23,1373.64 1199.23,1150.77 v1(1290,1060)
BSPD_FAULT: D1.3 J6.7 U5.25 | length 2302.6
  Top Layer w10: v1(1220,840) 1220,540 1240,520 1320,520 1360,480 1491.5,480 1518.82,452.68 U5.25@1949.76,452.68
  Top Layer w20: J6.7@458.74,1595 571.69,1482.05 v1(571.69,1403.26)
  Bottom Layer w20: J6.7@458.74,1595 467.71,1595 475.11,1587.6 D1.3@571.69,1587.6 ; v1(571.69,1403.26) 794.95,1180 881.81,1180 v1@1220.91,840.91
CAN_IC_N: D4.1 D4.5 L4.3 U3.6 | length 351.9
  Top Layer w7.99: L4.3@889.46,1680.1 905.97,1663.59 905.97,1644.97 910.65,1640.3 943.32,1640.3 948,1644.97 948,1650.32 953.85,1656.17 957.75,1656.17 971.57,1670 D4.1@977.48,1670 D4.5@1079.45,1670 1079.45,1644.97 1084.13,1640.3 1130.97,1640.3 1136.83,1646.15 1136.83,1649.93 1144.5,1657.6 U3.6@1162.16,1657.6
CAN_IC_P: D4.3 D4.4 L4.2 U3.7 | length 351.9
  Top Layer w7.99: L4.2@889.46,1585.1 905.97,1601.6 905.97,1620.22 910.65,1624.9 943.32,1624.9 948,1620.22 948,1614.88 953.85,1609.02 957.75,1609.02 971.57,1595.2 D4.3@977.48,1595.2 D4.4@1079.45,1595.2 1079.45,1620.22 1084.13,1624.9 1130.97,1624.9 1136.83,1619.04 1136.83,1615.27 1144.5,1607.6 U3.7@1162.16,1607.6
CAN_N: J6.1 L4.4 R18.1 | length 681.1
  Top Layer w7.99: J6.1@458.74,1831.22 481.32,1808.64 481.32,1804.23 486,1799.55 522.42,1799.55 681.67,1640.3 725.28,1640.3 729.96,1644.97 729.96,1662.59 L4.4@747.46,1680.1 764.97,1662.59 764.97,1644.97 769.65,1640.3 777.6,1640.3 795.77,1658.46 795.77,1810.52 791.09,1815.2 R18.1@748.46,1815.2
CAN_P: J6.3 L4.1 R17.2 | length 713.1
  Top Layer w7.99: J6.3@458.74,1752.48 458.74,1764.7 470.3,1776.26 470.3,1779.47 474.98,1784.15 516.04,1784.15 675.3,1624.9 725.28,1624.9 729.96,1620.22 729.96,1602.6 L4.1@747.46,1585.1 764.97,1602.6 764.97,1620.22 769.65,1624.9 783.98,1624.9 811.16,1652.08 811.16,1810.52 815.84,1815.2 R17.2@858.46,1815.2
CLKOUT: R29.1 U6.3 | length 509.6
  Top Layer w10: v1(1495,831.06) 1495,786.54 R29.1@1496.54,785
  Bottom Layer w10: v1(1495,831.06) 1495,835.89 1472.19,858.7 1472.19,1011.35 1495,1034.16 U6.3@1495,1275.04
CUR_N: C23.1 R16.2 U2.7 | length 208.4
  Bottom Layer w10: R16.2@1487.83,1535 1496.44,1543.6 C23.1@1584.37,1543.6 ; C23.1@1584.37,1545.57 1603.8,1565 1647.69,1565 1653.54,1559.14 1653.54,1556.81 1660.35,1550 U2.7@1677.09,1550
CUR_OUT: D1.2 J6.9 U5.24 | length 2233
  Top Layer w10: v1(1395,509.76) U5.24@1892.68,509.76
  Bottom Layer w20: D1.2@658.31,1587.6 658.31,1543.62 634.69,1520 462.48,1520 J6.9@458.74,1516.26 458.74,1403.26 741,1121 888,1121 1395,614 v1(1395,509.76)
CUR_P: C23.2 R14.2 U2.8 | length 207.2
  Bottom Layer w10: R14.2@1484.33,1610.53 C23.2@1584.37,1610.53 ; C23.2@1584.37,1608.56 1599.06,1593.88 1601.02,1593.88 1607.83,1587.07 1647.69,1587.07 1653.54,1592.92 1653.54,1593.19 1660.35,1600 U2.8@1677.09,1600
D+: D8.2 D9.1 L6.2 | length 270
  Top Layer w30: D8.2@70,1171.26 95.63,1145.63 132.99,1145.63 ; L6.2@143.67,1040.12 143.67,1134.95 132.99,1145.63 ; D9.1@219.46,1145.63 132.99,1145.63
DCDC_CAP: C1.1 C2.1 R1.2 R2.2 | length 904.4
  Top Layer w30: C2.1@1200,3185 1475.33,3185 1490.33,3170 R1.2@1495,3170 1495,2750.28 C1.1@1430,2685.28
  Bottom Layer w20: R2.2@1495,3078.46 R1.2@1495,3170
DCDC_EN: U1.3 U5.2 | length 630.4
  Top Layer w10: U5.2@2227.32,541.26 2677.2,541.26 v1(2690,528.46)
  Bottom Layer w10: v1(2690,528.46) 2691.54,530 U1.3@2851.81,530
DCDC_FLT: U1.2 U5.1 | length 641
  Top Layer w10: U5.1@2227.32,509.76 2655.24,509.76 v1(2690,475)
  Bottom Layer w10: v1(2690,475) 2695.41,475 2700.41,480 U1.2@2851.81,480